# Altium PCB SS_Power-V3.0_a.PcbDoc
Units mil, origin at the board's own origin, x right, y up, seen from the top; angles counter-clockwise.
Board outline 1830.71 x 826.77 mil, 2 copper layers (Top Layer, Bottom Layer); 56 components, 43 nets, 211 pads, 175 vias.
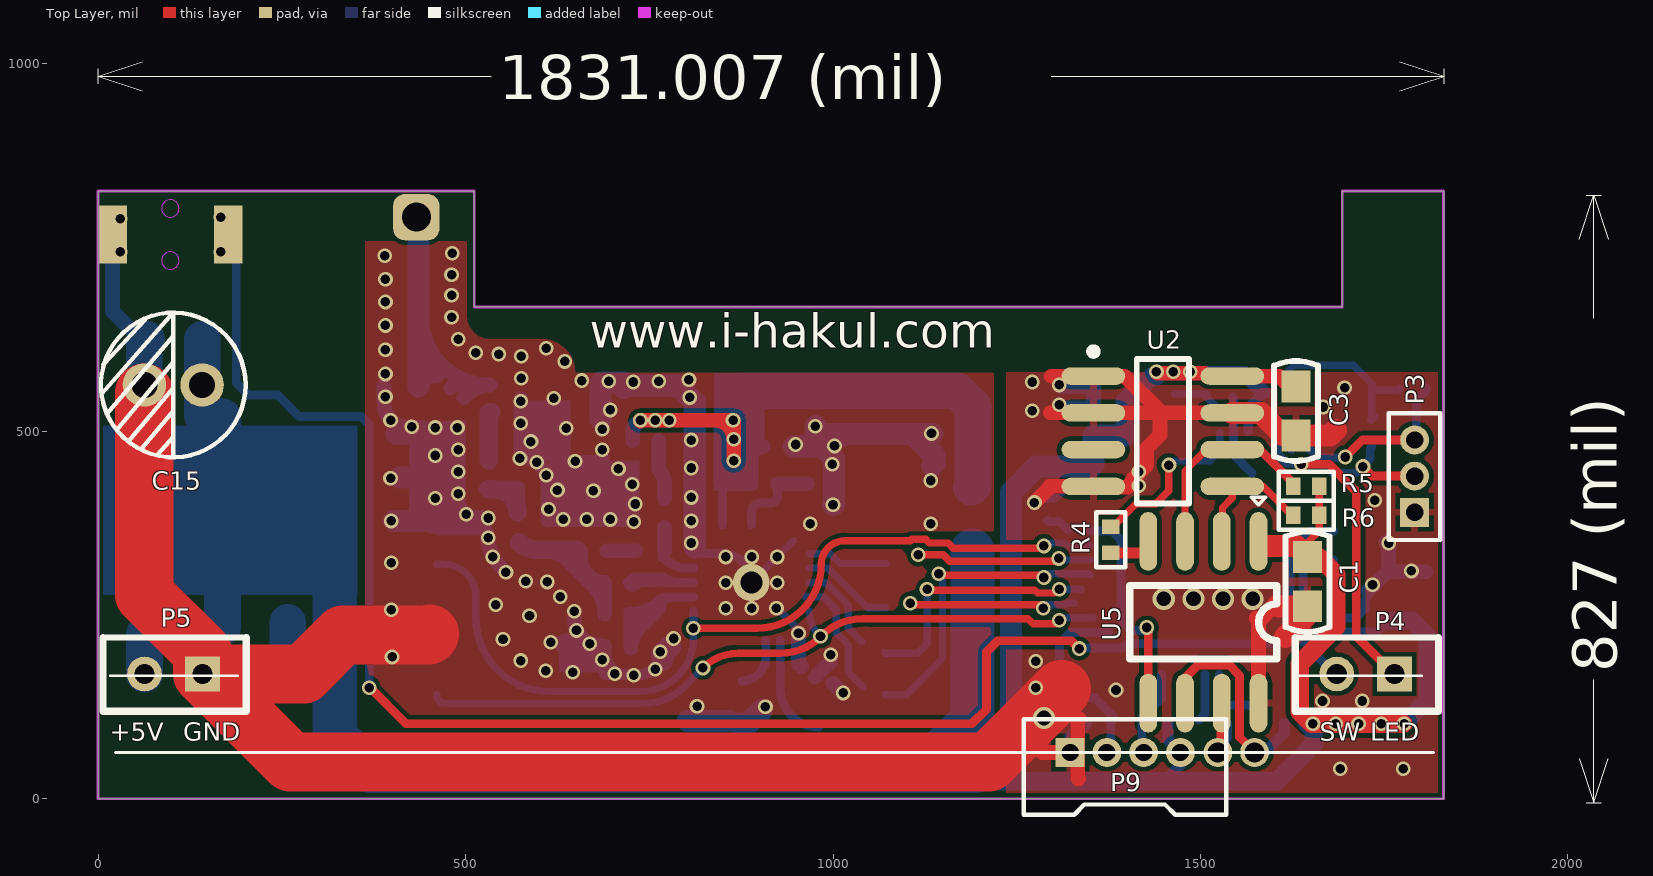
[diagram p0: Top Layer view]
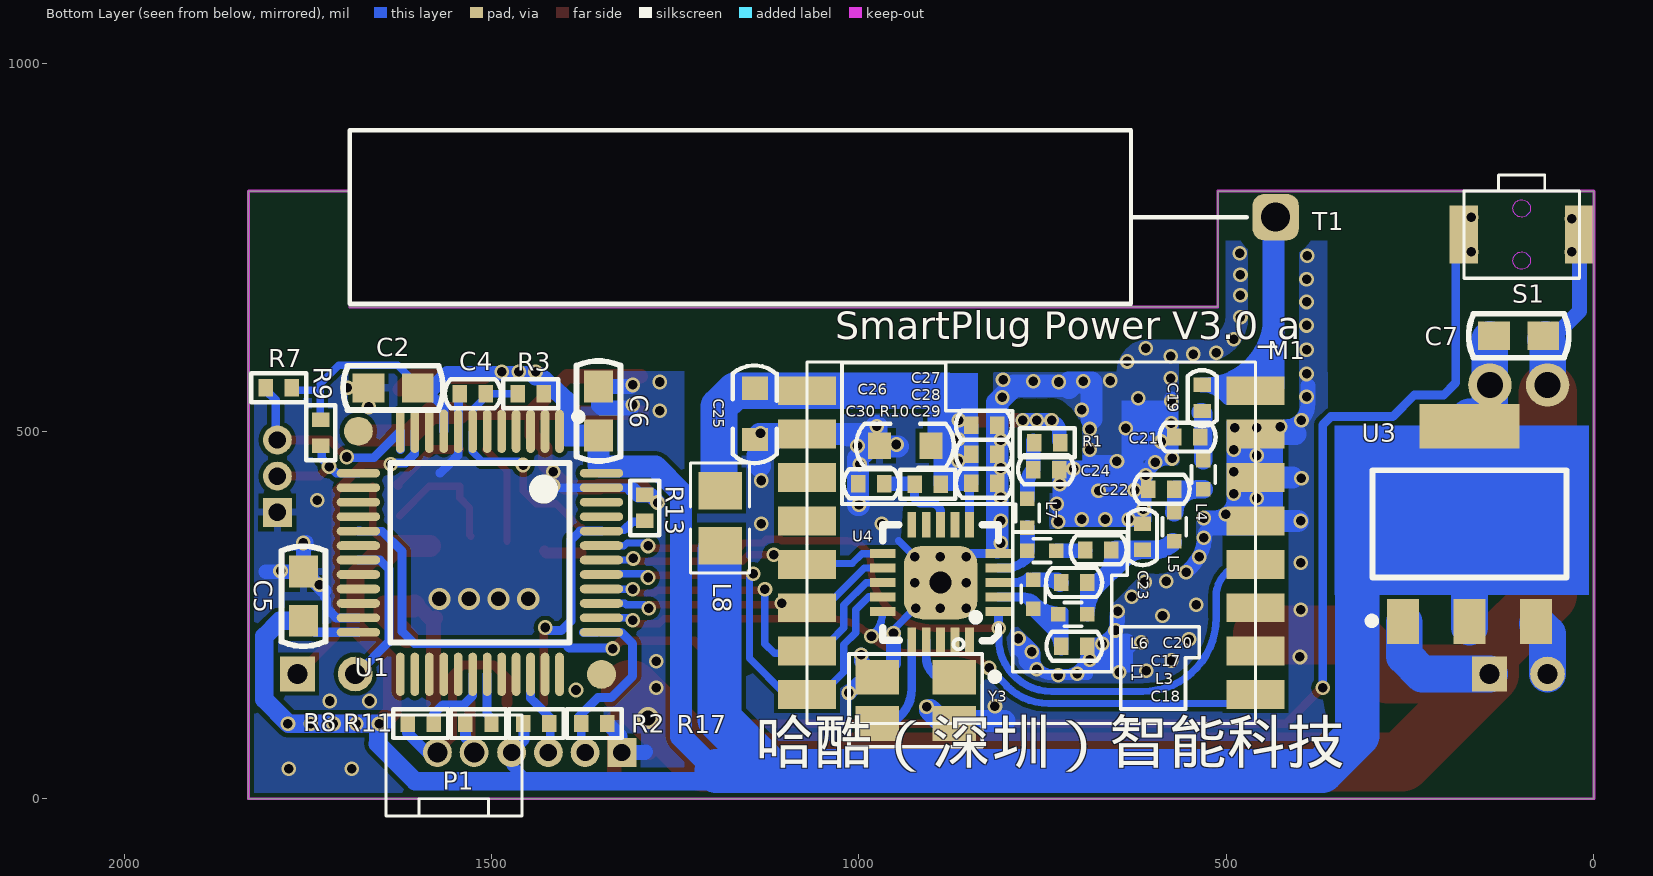
[diagram p1: Bottom Layer view, seen from below]

## Layer stack, top to bottom
Top Layer: signal copper 1.4
Dielectric: dielectric 12.6, FR-4, Dk 4.8
Bottom Layer: signal copper 1.4

## Board outline
0,0 0,826.77 511.81,826.77 511.81,669.29 1692.91,669.29 1692.91,826.77 1830.71,826.77 1830.71,0

## Design rules (kind name [scope] priority, off if disabled: settings)
Clearance [All] p1: gap=6
HoleToHoleClearance [All] p1: gap=6 allowstackedmicrovias=TRUE
MinimumSolderMaskSliver [All] p1: minsoldermaskwidth=6
PolygonConnect PolygonConnect_1 [IsVia] p1: connectstyle=Direct reliefconductorwidth=10 reliefentries=4 polygonreliefangle="90 Angle"
PolygonConnect [All] p2: connectstyle=Relief reliefconductorwidth=10 reliefentries=4 polygonreliefangle="90 Angle"
RoomDefinition SS_Power-V3.0_a [InComponentClass('SS_Power-V3.0_a')] p1: confinementstyle=ConfineIn formatcopy=TRUE lockcomponents=FALSE outline -6927.36,-1275 -4927.36,-1275 -4927.36,-275 -6927.36,-275
RoutingVias [All] p1: holewidth=13 width=25 viastyle="Through Hole" minholewidth=13 minwidth=20 maxholewidth=28 maxwidth=50
SilkToSilkClearance [All] p1: silktosilkclearance=6
SilkscreenOverComponentPads SilkToSolderMaskClearance [IsPad] p1: minsilkscreentomaskgap=0
SolderMaskExpansion [All] p1: expansion=4
Width [All] p1: maxlimit=200 minlimit=10 preferedwidth=10
24 further rules are at their usual default settings.

## Components (designator, comment, footprint, x,y, rotation, side; value= is the part's Value field where it differs from the comment)
C1 "100nF" C-RAD-0603 1645.67,295.28 r90 top
C2 "100nF" C-RAD-0603 1633.86,559.06 r180 bottom
C3 "100nF" C-RAD-0603 1629.92,527.56 r270 top
C4 "1nF" C0402 1543.31,551.18 r180 bottom
C5 "100nF" C-RAD-0603 1755.91,275.59 r270 bottom
C6 "100nF" C-RAD-0603 1354.33,527.56 r270 bottom
C7 "100nF" C-RAD-0603 102.36,629.92 r0 bottom
C15 "470uF/25V" C-RB-5/2 102.36,562.99 r180 top
C17 "5.1pF" C0402 689.34,294.23 r0 bottom
C18 "5.1pF" C0402 724.77,207.61 r180 bottom
C19 "150pF" C0402 533.17,562.99 r270 bottom
C20 "6.8pF" C0402 692.06,338.49 r180 bottom
C21 "9.1pF" C0402 570.87,492.13 r180 bottom
C22 "18pF" C0402 606.3,421.26 r180 bottom
C23 "12pF" C0402 614.17,374.02 r270 bottom
C24 "150pF" C0402 727.49,447.72 r0 bottom
C25 "10uF" C0603 1141.73,523.62 r90 bottom
C26 "2.2uF" C0603 937.01,480.32 r180 bottom
C27 "100nF" C0402 811.84,508 r0 bottom
C28 "100pF" C0402 811.84,468.63 r0 bottom
C29 "33pF" C0402 811.84,429.26 r0 bottom
C30 "100nF" C0402 1001.11,428.74 r180 bottom
L1 "68nH(HiQ)" 0402 762.92,278.43 r90 bottom
L3 "27nH(HiQ)" 0402 709.02,250.92 r0 bottom
L4 "12nH" 0402 531.5,440.94 r270 bottom
L5 "12nH" 0402 570.87,370.08 r270 bottom
L6 "24nH(HiQ)" 0402 751.11,337.49 r0 bottom
L7 "220nH(HiQ)" 0402 770.8,388.67 r270 bottom
L8 "BLM21PG221SN1" 0805-1 1188.98,381.89 r90 bottom
M1 "Si4438" HPD01 460.63,102.36 r0 bottom
P1 "Header 2" hdr1.27x2_host 1523.62,62.99 r0 bottom
P3 "Header 3" HDR3X1/1.25 1791.34,389.76 r90 top
P4 "Header 2" HDR2X1_2.0 1763.78,169.29 r0 top
P5 "Header 2" HDR2X1_2.0 141.73,169.29 r0 top
P9 "Header 4" HDR4X1/1.25B2M 1397.64,62.99 r0 top
R1 "4.7R" R0402 725.98,484.48 r0 bottom
R2 "10K" R0402 1456.69,102.36 r180 bottom
R3 "10K/5%" R0402 1464.57,551.18 r180 bottom
R4 "0R" R0402 1377.95,370.08 r270 top
R5 "10K" R0402 1625.98,425.2 r0 top
R6 "10K" R0402 1625.98,385.83 r0 top
R7 "10K" R0402 1771.65,559.06 r0 bottom
R8 "0R" R0402 1614.17,102.36 r180 bottom
R9 "10K" R0402 1732.28,515.75 r270 bottom
R10 "4.7R" R0402 888.91,428.04 r0 bottom
R11 "0R" R0402 1535.43,102.36 r180 bottom
R13 "10K/5%" R0402 1291.34,413.39 r270 bottom
R17 "10K" R0402 1377.95,102.36 r180 bottom
S1 "SW-PB" swich_micro 19.69,826.77 r0 bottom
T1 "ANT" ANT470 433.07,791.34 r0 bottom
U1 "STM32F030C8T6" LQFP48_7X7X05P 1515.75,334.65 r270 bottom locked
U2 "AT24C512" SOIC8_N 1448.82,500 r0 top
U3 "ASM1117" SOT-223 169.29,374.02 r180 bottom
U4 "Si4438" QFN20/0.5 888.91,294.18 r0 bottom
U5 "HC89F0411P" SO-8 1503.94,240.16 r270 top
Y3 "30MHz(±10PPM)" XTAL4/3.2X2.5/S 922.94,133.86 r270 bottom

## Footprints (in the part's own frame and the unit in brackets; to place one, negate y for a bottom-side part, rotate by r counter-clockwise, add the part's x,y. Pads: shape width x height; smd on the part's side, far side on the other; paste and mask are expansions set on the pad)
0402 [mm]
  rect 0.5x0.5 smd: 1(-0.5,0) 2(0.5,0)
  silkscreen extent -0.3,-0.41 0.3,0.41
0805-1 [mm] "贴片带丝印"
  rect 1.3x1.5 smd: 1(-0.95,0) 2(0.95,0)
  silkscreen extent -1.91,-1.02 1.91,1.02, body extent -1.14,-0.51 1.14,0.51, height 1
ANT470 [mm]
  rrect50% 1.6x1.6 hole 1: 1(0,0)
  silkscreen extent 1,-3 32,3
C0402 [mm] "贴片电容"
  rect 0.5x0.6 smd: 1(0,0) 2(0.9,0)
  silkscreen extent -0.51,-0.5 1.43,0.5
C0603 [mm] "贴片电容"
  rect 0.8x0.9 smd: 1(-0.889,0) 2(0.889,0)
  silkscreen extent -1.7,-0.76 1.67,0.76, body extent -0.75,-0.39 0.85,0.41, height 0.45
C-RAD-0603 [mm] "贴片电容"
  rect 1.1x1 smd: 1(-0.85,0) 2(0.85,0)
  silkscreen extent -1.73,-0.76 1.73,0.76, body extent -1.14,-0.38 1.14,0.38, height 1
C-RB-5/2 [mm] "插件电解电容"
  round 1.5 hole 0.9: 1(-1,0) 2(1,0)
  silkscreen extent -2.5,-2.5 2.5,2.5
hdr1.27x2_host [mm]
  round 1 hole 0.7: 1(0,0) 2(1.27,0)
  silkscreen extent -1.65,-1.3 3.05,2.2
HDR2X1_2.0 [mm]
  rect 1.2x1.2 hole 0.7: 1(0.006,0.012)
  round 1.2 hole 0.7: 2(-1.994,0.012)
  silkscreen extent -3.43,-1.27 1.52,1.27
HDR3X1/1.25 [mm]
  rect 1x1 hole 0.6: 1(0,0)
  round 1 hole 0.6: 2(1.25,0) 3(2.5,0)
  silkscreen extent -0.96,-0.89 3.43,0.89
HDR4X1/1.25B2M [mm]
  rect 1x1 hole 0.6: 1(-1.905,0)
  round 1 hole 0.6: 2(-0.635,0) 3(0.635,0) 4(1.905,0)
  silkscreen extent -3.51,-2.15 3.49,1.15
HPD01 [mm]
  rect 2x1 smd: 1(15.5,-11.5) 2(15.5,-10) 3(15.5,-8.5) 4(15.5,-7) 5(15.5,-5.5) 6(15.5,-4) 7(15.5,-2.5) 8(15.5,-1) 9(0,-1) 10(0,-2.5) 11(0,-4) 12(0,-5.5) 13(0,-7) 14(0,-8.5) 15(0,-10) 16(0,-11.5)
  silkscreen extent 0,-12.5 15.5,0
LQFP48_7X7X05P [mm]
  oval 1.5x0.3 smd: 1(-4.2,2.75) 2(-4.2,2.25) 3(-4.2,1.75) 4(-4.2,1.25) 5(-4.2,0.75) 6(-4.2,0.25) 7(-4.2,-0.25) 8(-4.2,-0.75) 9(-4.2,-1.25) 10(-4.2,-1.75) 11(-4.2,-2.25) 12(-4.2,-2.75) 25(4.2,-2.75) 26(4.2,-2.25) 27(4.2,-1.75) 28(4.2,-1.25) 29(4.2,-0.75) 30(4.2,-0.25) 31(4.2,0.25) 32(4.2,0.75) 33(4.2,1.25) 34(4.2,1.75) 35(4.2,2.25) 36(4.2,2.75)
  oval 0.3x1.5 smd: 13(-2.75,-4.2) 14(-2.25,-4.2) 15(-1.75,-4.2) 16(-1.25,-4.2) 17(-0.75,-4.2) 18(-0.25,-4.2) 19(0.25,-4.2) 20(0.75,-4.2) 21(1.25,-4.2) 22(1.75,-4.2) 23(2.25,-4.2) 24(2.75,-4.2) 37(2.75,4.2) 38(2.25,4.2) 39(1.75,4.2) 40(1.25,4.2) 41(0.75,4.2) 42(0.25,4.2) 43(-0.25,4.2) 44(-0.75,4.2) 45(-1.25,4.2) 46(-1.75,4.2) 47(-2.25,4.2) 48(-2.75,4.2)
  round 1 smd: 49(-4.2,-4.2) 50(4.2,4.2)
  silkscreen extent -4.82,-3.1 3.1,3.52
QFN20/0.5 [mil]
  rect 35x12 smd: 1(-78.74,39.37) 2(-78.74,19.69) 3(-78.74,0) 4(-78.74,-19.68) 5(-78.74,-39.37) 11(78.74,-39.37) 12(78.74,-19.68) 13(78.74,0) 14(78.74,19.69) 15(78.74,39.37)
  rect 12x35 smd: 6(-39.37,-78.74) 7(-19.68,-78.74) 8(0,-78.74) 9(19.69,-78.74) 10(39.37,-78.74) 16(39.37,78.74) 17(19.69,78.74) 18(0,78.74) 19(-19.68,78.74) 20(-39.37,78.74)
  rrect50% 100x100 smd: 21(0,0)
  silkscreen extent -79,-79 79,79
R0402 [mm]
  rect 0.5x0.6 smd: 1(0,0) 2(0.9,0)
  silkscreen extent -0.5,-0.5 1.4,0.5
SO-8 [mil]
  oval 80x24 smd: 1(-110,75) 2(-110,25) 3(-110,-25) 4(-110,-75) 5(110,-75) 6(110,-25) 7(110,25) 8(110,75)
  silkscreen extent -170,-100 50,100
SOIC8_N [mm] "8-Pin Small Outline Integrated Circuit Package (SOIC8), IPC Medium Density"
  oval 2.2x0.6 smd: 1(-2.4,1.905) 2(-2.4,0.635) 3(-2.4,-0.635) 4(-2.4,-1.905) 5(2.4,-1.905) 6(2.4,-0.635) 7(2.4,0.635) 8(2.4,1.905)
  silkscreen extent -2.52,-2.5 0.9,2.88, body extent -1.95,-2.45 1.95,2.45, height 1.75
SOT-223 [mm]
  rect 1.1x1.55 smd: 1(-2.3,-3.375) 2(0,-3.375) 3(2.3,-3.375)
  rect 3.45x1.55 smd: 4(0,3.375)
  silkscreen extent -3.5,-3.48 3.35,1.85, body extent -3.3,-3.94 3.3,3.43, height 0.8
swich_micro [mm]
  rect 1x2 all layers, no hole: 1(0,1.5) 2(4,1.5)
  Keep-Out Layer circle w0.025: c2,0.6 r0.3
  Keep-Out Layer circle w0.025: c2,2.4 r0.3
  silkscreen extent 0,-0.55 4,3
XTAL4/3.2X2.5/S [mm]
  rect 1.2x1.5 smd: 1(-0.8,1.33) 2(-0.8,-1.33) 3(0.8,-1.33) 4(0.8,1.33)
  silkscreen extent -2.12,-2.3 1.6,2.3

## Part data
C1 C2 C3 C4 C5 C6 C7 C17 C18 C19 C20 C21 C22 C23 C24 C25 C26 C27 C28 C29 C30: library part Cap, "无极性电容"
C15: library part CAP3, "电解电容"
L1 L3 L4 L5 L6 L7 L8: library part Inductor, "电感"
M1: library part SI4438-HPD07, "SI4438模块"
P1 P3 P4 P5 P9: "接插件"
R1 R2 R3 R4 R5 R6 R7 R8 R9 R10 R11 R13 R17: library part Res1, "电阻"
S1: "微动开关"
T1: "470M弹簧天线"
U1: "MCU"
U2: library part AT24C02, "EEROM存储器"
U4: "无线收发器"
U5: "芯圣8脚51单片机"
Y3: library part XTAL_4, "四脚无源"

## Via types
v1: diameter 20, hole 13, Top Layer to Bottom Layer, 169 vias
v2: diameter 30, hole 20, Top Layer to Bottom Layer, 5 vias
v3: diameter 50, hole 30, Top Layer to Bottom Layer, 1 vias

## Nets (pads, with @x,y where several pads share a name; then routed paths per layer and width w, separated by ;. In a path a pad name is that pad's centre, name@x,y a point inside that pad or via, vN(x,y) a via of type N, cw(c..) or ccw(c..) an arc to the next point about the centre after c; other vN are vias at no path point)
1TOUCH: S1.2 U1.17 | length 2325
  Top Layer w12: v1@369.5,151.5 419,102 1189,102 1209,122 1209,200 1224,215 1324.2,215 v1(1334.82,204.38)
  Bottom Layer w12: S1.2@179,794 S1.2@181,792 ; S1.2@181,742 S1.2@181,767.72 ; S1.2@188,742 188,566 204.6,549.4 244.6,549.4 274,520 357.97,520 369,508.97 v1@369,156 ; v1@1335,204.38 v1(1334.82,204.38) v1@1335.44,205 ; v1@1335,205 v1@1335.44,205 ; 1581,211 1580.82,210.82 ; U1.17@1679,364.17 U1.17 ; U1.17@1682,364 1649,364 1621.57,336.57 1621.57,227.57 1604.82,210.82 1580.82,210.82 ; v1@1335.44,205 1394.24,205 1400.06,210.82 1580.82,210.82
  other v1: 369,151 167,744 167,791
+3V3: C1.2 C2.2 C3.1 C5.2 C6.2 C7.2 C15.1 L8.1 P9.4 R2.1 R3.2 R5.2 R6.2 R7.1 R9.1 U1.1 U1.9 U1.24 U1.48 U2.8 U3.2 U5.1 | length 4702
  Top Layer w10: C1.2@1645,330 1647,332 1647,350 1661.42,364.42 R6.2 R5.2
  Top Layer w20: v1@1441,579 1505,579 1510,574 1567,574 U2.8@1568,575 ; U2.8 1607,575 C3.1@1625,557
  Top Layer w25: C1.2 1661.26,328.74 1685,305 1685,233.64 1635,183.64 1635,118 1651,102 v1(1653,102) v1(1684,102) v1(1715,102) v1(1746,102) v1@1776,102
  Top Layer w30: U5.1@1584,344 1630.41,344 C1.2
  Bottom Layer w10: C2.2@1610,572 1627.74,589.74 1708.03,589.74 1733,564.77 1733,563 1733,556 ; R9.1@1733,517 1733,556 ; R7.1@1771,558 1769,556 1733,556
  Bottom Layer w12: R9.1 R9.1@1736,519.46
  Bottom Layer w13: U1.9 1564.96,532.96 C2.2@1585,553 ; U1.24 1740.38,226.38 1756,242 C5.2@1757,243
  Bottom Layer w15: 1451,24 1472,45 1472,61 P9.4@1474,63 ; R2.1@1456,102 1456,79.63 P9.4
  Bottom Layer w20: 1397.09,499.91 1398,499 ; v1@1440,575 1440.99,578.99 1486,578.99 1559.78,578.99 ; 1564.96,574.04 1573,566 ; 1569.15,568.85 C2.2@1585,553
  Bottom Layer w25: 1208,24 1451,24 1604,24 1655,75 1654,76 v1@1654,102 ; 1397.09,499.91 1397.09,541.09 1434,575 v1@1440,575 ; v1@1645,102 v1(1653,102) v1@1654,102 ; v1@1658,102 v1@1655,102 ; C5.2@1752,242 1756,242 1788,242 1809,221 1809,135 1776,102 v1(1746,102) v1(1715,102) v1(1684,102) v1@1655,102 ; v1@1654,102 v1@1655,102
  Bottom Layer w30: 1199,42 1242,85 1242,417 1277,452 1319,452 1352,452 1354.33,454.33 C6.2 1397.09,494.09 1397.09,499.91
  Bottom Layer w50: 141.73,522 C7.2@141.73,625.27 ; U3.2@169.29,233.27 169.29,337 ; 169.29,439 169.29,519.71
  Bottom Layer w60: 322,323 322,85.97 370,37.97 1119.97,37.97 ; L8.1@1190,338 1190,108 1119.97,37.97 ; 1194.03,37.97 1119.97,37.97
  other v1: 1777,102 1440,581 1463,581 1486,581
+5VCC: P5.2 U3.3 | length 73.9
  Bottom Layer w50: P5.2 63.24,224.24 U3.3@77,238
BOOT: R13.2 U1.44 U5.5 | length 335
  Top Layer w12: v1(1427,233) 1429,231 1429,155 U5.5@1429,130.16
  Bottom Layer w12: R13.2@1292,379 1294,377 1308.87,377 ; 1308.87,376.44 1319.35,365.95 ; U1.44 1379.65,364.17 1391.92,351.9 1391.92,241.9 1401.41,232.41 1405,228.82 1422.82,228.82 v1(1427,233)
FSK_AD: U1.18
FSK_IO: U1.26
FSK_OUT: U1.16
G_LED: P4.1 U1.11 | length 432.9
  Top Layer w12: v1@1635,455 v1@1635,456 ; v1@1637,454 v1(1637,455) 1675,455 1706,424 1710,420 1712,418 1712,221 P4.1@1763,170 ; P4.1@1763.5,170.5 P4.1@1764,170
  Bottom Layer w12: U1.11 1604.33,469.21 1616.56,456.98 1635.02,456.98 v1(1637,455) v1@1638,454
GND: C1.1 C2.1 C3.2 C4.1 C5.1 C6.1 C7.1 C15.2 C18.2 C21.1 C22.1 C23.1 C24.1 C25.1 C26.1 C27.1 C28.1 C29.1 C30.1 M1.2 M1.13 M1.14 M1.15 P3.1 P5.1 P9.1 R13.1 R17.2 S1.1 U1.8 U1.23 U1.47 U2.1 U2.2 U2.4 U2.7 U3.1 U4.5 U4.21 U5.8 Y3.2 Y3.4 | length 6556.6
  Top Layer w20: v1(1274,403) 1293,422 ; 1283,65 1285.01,62.99 P9.1@1333.07,62.99 ; 1295,425 U2.4 ; 1296,525 U2.2 ; 1297,575 U2.1 1397,575 1445,527 1445,525 ; 1334,27 1333.07,27.93 P9.1@1333.07,62.99 ; 1335,109 1333.07,107.07 P9.1@1333.07,62.99 ; U2.4@1353,424 1400,424 1407,431 1407,433.7 1427,453.7 1427,477 1445,495 1445,525 ; U2.2@1359,525 1445,525 ; U2.7 1445,525 ; 1576,246 1578.94,243.06 U5.8 ; 1579,241 1599.81,261.81 1606.19,261.81
  Top Layer w30: U2.7 1582,525 1612,495 1631,495 C3.2@1631.91,494.09 ; 1605,263 1606.19,261.81 C1.1 1645.67,250.67 1615,220 ; C3.2 C3.2@1631.91,494.09 ; C3.2@1632,494 C3.2@1631.91,494.09 ; 1684,502 1676.09,494.09 C3.2@1631.91,494.09
  Top Layer w80: C15.2@62.99,552 62.99,278.01 141.98,199.02 ; P5.1@143,169 P5.1@143,169.75 ; 451,224 450,223 333,223 279.75,169.75 P5.1@143,169.75 ; 1311,149 1212,50 261.73,50 P5.1 ; P5.1 141.98,199.02 ; P5.1 P5.1@143,169.75 ; P5.1 P5.1@143,170.76 ; 141.98,199.02 143,198 P5.1@143,170.76 ; P5.1@143,169.75 P5.1@143,170.76
  Bottom Layer w10: v3(888.91,294.18) 946,351 ; U4.21@924,259 953,230 v1(953,225)
  Bottom Layer w12: 774.5,210.5 775,211 ; U4.5 849.54,333.55 cw(c849.54,294.18) v3(888.91,294.18) ; 1314.23,423.23 U1.47 1413.23,423.23 v1(1416,426) ; C4.1@1543.55,547 1544,547 C4.1@1545,546 ; U1.8@1545,477 C4.1@1545,546 ; 1570,443 1557,456 1557,456.11 1545.28,467.84 U1.8 1545.28,545.72 C4.1@1545,546 ; U1.23 1711.06,246.06 1724.22,259.22 1724.22,271.53 1727,274.31 1727,279
  Bottom Layer w15: C18.2 689.34,186 689.34,184.34 689.34,168.94 693,168.94 v1@738,168.94 ; C18.2@691,197 ccw(c719.06,197) 719.06,168.94 v1@738,168.94 ; v1@761,200 761,191.94 cw(c738,191.94) v1@738,168.94
  Bottom Layer w20: S1.1@19.69,789 19.69,663.32 C7.1@62,621 ; 389,562 389,538 ccw(c421,538) v1@421,506 ; v1@529,362 ccw(c596.6,362) 548.8,314.2 v1@550,313 ; v1@575,544 575,465 cw(c575,428) 612,428 C23.1@612,379 ; 637,206 638.61,207.61 639.39,207.61 C18.2 ; v1@648,246 648,243 ccw(c682,243) C18.2@682,209 ; v1@686,181 v1@689.34,184.34 ; v1(953,225) 953,184 Y3.2@957,180 ; Y3.2 997,187.06 v1(997,196) ; Y3.2@1000,157 1013,144 v1(1014,144) ; v1@1275,405 1283.39,413.39 R13.1 1300.39,413.39 1308,421 1309,421 ; 1290,64 1291.01,62.99 P9.1 P9.1@1323,62.99 ; v1@1310,531 1310.75,531.75 1351,531.75 1354.33,535.08 C6.1 v1@1310.02,561.02 ; P9.1@1323,66 1325,68 1325,84.84 1333.07,92.91 R17.2 ; 1728,283 1732,287 1754.06,309.06 C5.1 ; v1@1752,349 1755.91,345.09 C5.1 ; 1807,309 1806.94,309.06 C5.1
  Bottom Layer w25: v1@487,414 487,408.48 ccw(c515.48,408.48) 515.48,380 v1@527,380
  Bottom Layer w30: v1@403,377.95 M1.13 ; 406,496.06 M1.15 ; 410,437 M1.14 ; 637,210 639.39,207.61 ; 683.68,516.68 683.68,566.19 714,566.19 ; 714,559 716.9,561.9 783.04,561.9 ; 768,189 768,197 778,207 ; 788,562 789,562 811.84,539.16 C27.1 ; 802,106 Y3.4@859,106 ; v1@811.84,342 C29.1 C28.1 ; Y3.4 884.95,102.36 v1@903.32,120.73 ; v1@947,479 947,479.19 974.74,479.19 976,479.19 976,480.32 v1(976,507) ; C26.1@982,496 982.06,496.06 1016.06,496.06 ; 993.05,471.05 v1@993.05,479.19 ; v1(1000,400) 1001.11,400 C30.1 v1@1001.11,463 ; 1014,494 1016.06,496.06 ; M1.2@1069.98,496.06 M1.2 ; 1135,453 1138,456 1138,467 M1.2@1108.94,496.06 ; C25.1@1135.06,496.06 M1.2@1108.94,496.06 ; C28.1 C27.1 ; C28.1 C27.1 ; 1016.06,496.06 M1.2 ; M1.2 M1.2@1108.94,496.06
  Bottom Layer w50: C15.2 62.99,621.99 C7.1@66,625 ; P5.1 233.75,169.75 258,194 U3.1@258,240 ; M1.13@460,385 ccw(c458.48,386.52) 460.63,386.52 M1.14 M1.15@460.63,485
  other v1: 1690,41 1776,41 908,125 815,126 1666,133 1720,133 1385,148 1276,151 729,168 703,170 646,172 609,174 758,176 1276,187 575,188 686,189 400,193 765,200 669,211 616,213 551,217 783,218 651,229 587,249 648,255 399,257 854,259 889.5,259 923,259 541,264 629,275 1734,291 854,294 924,294 611,295 582,296 555,308 1787,310 399,321 537,329 854,329 889.5,329 924,329 807,348 1756,348 531,355 969,374 1133,374 729,377 399,378 807,378 633,380 665,380 697,380 531,382 501,387 613,394 731,401 1737,406 459,409 807,410 490,415 674,419 625,420 727,428 1133,433 398,436 610,440 490,445 1416,445 708,449 807,450 999,455 597,458 649,459 574,463 459,467 490,475 686,475 1002,480 949,482 589,486 807,488 1134,497 686,503 637,504 459,505 489,505 427,506 575,511 398,515 1271,528 697,529 1667,533 1308,536 575,541 620,545 805,546 391,547 1696,559 1308,563 728,567 1271,567 695,568 763,568 658,569 804,570 576,572 391,578 635,595 576,602 545,605 514,607 391,611 610,613 490,625 391,644 481,655 391,676 481,685 391,707 481,713 390,739 482,742 30,744 30,789
  other v2: 1287,110 1450,272 1490.33,272 1530.67,272 1571,272
NetC24_2: C24.2 L7.1 R1.2 | length 80.8
  Bottom Layer w20: R1.2@762.92,487.09 C24.2 cw(c743.91,428.72) 770.8,428.72 L7.1
NetC30_2: C30.2 R10.2 U4.8 | length 122.8
  Bottom Layer w12: U4.8 888.91,389.33 cw(c902,389.33) 902,402.42 915.42,402.42 ccw(c915.42,411) 924,411 ccw(c924,411.34) 924.34,411.34 R10.2
  Bottom Layer w20: R10.2 cw(c925.04,428.04) 925.04,428.74 C30.2
NetR4_2: R4.2 U5.4 | length 51
  Top Layer w15: R4.2 1425.64,334.64 U5.4@1428,337
NetU4_16: U4.16 Y3.3 | length 148
  Bottom Layer w12: U4.16 928.28,149.69 ccw(c980.64,149.69) Y3.3@980.64,97.33
NetU4_17: U4.17 Y3.1 | length 73.8
  Bottom Layer w12: Y3.1@875.91,160.32 ccw(c875.91,193) 908.59,193 U4.17
OB1_SW: P4.2 U1.19 | length 209
  Bottom Layer w12: U1.19 1651.8,324.8 1639.57,312.57 1639.57,213.43 P4.2@1682,171
  Bottom Layer w15: P4.2@1683.02,172.02 P4.2
PWM: U1.14
R\E\S\E\T\: C4.2 R3.1 R4.1 U1.7 | length 311
  Top Layer w10: R4.1@1377,369 1380,369 1412.16,401.16 1439.16,401.16 1457,419 v1(1457,454)
  Bottom Layer w10: v1(1457,454) 1462.47,459.47 1512.91,459.47 1526,472.56 U1.7@1526,499 ; R3.1 C4.2 C4.2@1508.82,551.18 ; C4.2@1505.85,549.15 U1.7@1525.59,529.41
RF: C19.1 M1.16 T1.1 | length 587.3
  Bottom Layer w20: 440,730 440,656.17 ccw(c533.17,656.17) C19.1 ; M1.16@480,559 483.99,562.99 C19.1 ; M1.16@498,546 502.14,550.14 cw(c533.17,519.1) C19.1
  Bottom Layer w30: T1.1@433,784 T1.1@434,784 ; T1.1@434,789.8 T1.1@434,784 ; M1.16@436,561 436,607 ; 459,580 cw(c459,603) 436,603 436,607 ; T1.1@434,784 436,784 436,658 436,607
RF1: C17.2 L1.2 U4.3 | length 159.9
  Bottom Layer w12: L1.2@769.94,301.95 ccw(c788.69,320.69) 788.69,294.18 U4.3 L1.2@771.64,294.18
  Bottom Layer w20: C17.2@724,294 726,294 ccw(c726,298) 730,298 762.8,298 ccw(c762.8,298.12) L1.2 744.18,298.12 ccw(c744.18,273.82) C17.2@727,291
RF2: C18.1 L1.1 L3.2 U4.2 | length 312.8
  Bottom Layer w12: L1.1@759,268 cw(c774.68,252.32) 774.68,274.5 786.85,274.5 U4.2 783.78,274.5 ccw(c783.78,254.86) L1.1@764.14,254.86
  Bottom Layer w15: C18.1@727,204 727,222.83 cw(c755.09,222.83) L1.1@755.09,250.92
  Bottom Layer w20: C18.1 724.77,220 724.77,246.98 cw(c728.71,246.98) L3.2 L1.1@755.09,250.92 ; C18.1@725,205 cw(c763.21,205) 736.19,232.02 L1.1
RF3: L6.2 L7.2 U4.4 | length 130.1
  Bottom Layer w12: L6.2@767,329 ccw(c803.54,365.54) 803.54,313.87 U4.4 ; 777,323 ccw(c799.05,345.05) 799.05,313.87 U4.4 ; U4.4@794.42,313.87 U4.4
  Bottom Layer w20: L6.2 L7.2
RF4: C20.1 L6.1 | length 39.4
  Bottom Layer w20: C20.1@692.06,337.49 L6.1
RF5: C17.1 C20.2 C23.2 L3.1 L5.2 | length 454.9
  Bottom Layer w20: C23.2@617.25,337.49 C20.2@656.62,337.49 ; 654.68,315.32 666,304 668.31,301.69 cw(c617.54,250.92) L3.1 ccw(c632.02,250.92) 672.55,291.45 668,296 ; C20.2@656.62,334.39 C20.2@656.62,337.49 ; L3.1@689.34,258.37 C17.1 cw(c689.34,326.94) 656.62,326.94 C20.2@656.62,337.49
  Bottom Layer w25: L5.2@573,349 ccw(c598.15,374.15) 598.15,338.58 ; C23.2@615.8,338.58 598.15,338.58 ; C20.2@654,337 ccw(c650.18,333.18) 650.18,338.58 C23.2 ; C17.1@680,287 638.49,328.51 ccw(c614.17,304.19) C23.2 ; 598.15,338.58 C23.2
RF6: C22.2 L4.2 L5.1 | length 130.5
  Bottom Layer w20: L4.2@531.76,421 533.76,423 570.87,423 570.87,391.87 cw(c570,391.87) L5.1@570,391
  Bottom Layer w25: L4.2@531,421 539.63,421 cw(c539.63,389.76) L5.1 ; L4.2 ccw(c531.76,421.26) L4.2@531.76,421
RF7: C19.2 C21.2 L4.1 | length 67.2
  Bottom Layer w25: L4.1 531.5,522.72 cw(c534.78,522.72) C19.2@534.78,526
RXD: P1.1 R11.1 U5.7 | length 128.6
  Top Layer w15: P1.1@1523,62 1528.94,67.94 U5.7
  Bottom Layer w15: P1.1@1519,67 1535.43,83.43 R11.1 1535.43,86.57
RXD1: R11.2 U1.31 | length 65.6
  Bottom Layer w12: R11.2@1498,107 1505.91,114.91 U1.31
RXD2: P3.2 R9.2 U1.13 | length 150.8
  Top Layer w12: v1(1721,452) 1734.02,438.98 P3.2
  Bottom Layer w12: U1.13 1710.91,442.91 1731,463 1731,477 R9.2@1733,479
SCL: R5.1 U2.6 U5.3 | length 242.6
  Top Layer w10: U5.3 1478.94,445.94 U2.6@1508,475
  Top Layer w12: U2.6 1581,475 1627,429 R5.1@1627,426
SDA: R6.1 U2.5 U5.2 | length 172.6
  Top Layer w10: U5.2@1528,357 1530,359 1530,396 1543.31,409.31 U2.5 1585,425 R6.1@1625,385
SI4438_NIRQ: M1.5 U1.42 U4.11 | length 347.6
  Top Layer w10: v1(1116,332) 1150,332 1159,323 v1@1303,323
  Bottom Layer w10: U4.11 995.84,333.55 1009.4,320 M1.5@1072,320 ; v1@1304,326 1305.2,324.8 U1.42
  other v1: 1307,327
SI4438_SDN: M1.12 U1.43 U4.1 | length 1176.7
  Top Layer w10: v1(810,232) 897,232 ccw(c897,319) 973,276.66 ccw(c897,319) 984,319 cw(c1016,319) 1016,351 1105.3,351 ; 1107.3,353 1126,353 1131,348 1156.63,348 1163.63,341 1190,341 1253,341 ; 1271,341 1253,341 ; v1@1289,344 1286,341 1253,341
  Bottom Layer w10: M1.12 471.1,318.9 cw(c471.1,276) 480.04,317.96 cw(c471.1,276) 513.06,284.94 cw(c471.1,276) 514,276 514,246 ccw(c614,246) 614,146 738,146 ccw(c738,218) 810,218 v1(810,232) ; v1(1287,344) 1286.96,343.96 1286.76,343.96 1286.7,344.02 1286.7,346.7 1288,348 1315.7,348 1319.7,344 U1.43@1334,344 ; U1.43@1334,344.49 U1.43
  Bottom Layer w12: v1@810.17,232.17 U4.1
SI4438_SPI1_MISO: M1.7 U1.40 U4.13 | length 477.3
  Top Layer w10: v1@1127.5,285.5 1127,285 v1@1129,283 ; v1@1129,285 1130.35,283.65 1274.65,283.65 1278.3,280 1301,280 v1@1307,286
  Bottom Layer w10: U4.13@967,294 990.14,294 1020.5,263.64 1020.5,232.5 M1.7@1039,214 ; M1.7@1070,199 1071,198 1115,198 1128,211 v1(1128,285) ; v1(1308,285) U1.40@1338,285
SI4438_SPI1_MOSI: M1.8 U1.41 U4.14 | length 586.6
  Top Layer w10: v1@1146,304 v1@1284,304
  Bottom Layer w10: U4.14@962,275 986.51,275 1004.5,257.02 1004.5,225.88 1020.5,209.88 1020.5,172.5 M1.8@1041,152 ; U4.14@967,274 U4.14@967.65,274 ; U4.14 U4.14@970,274.5 ; M1.8 1099.73,141.73 1149,191 v1@1149,301 ; v1@1286,302 v1(1287,301) 1292,306 1321.67,306 U1.41@1349,306 ; U1.41@1349,305 1350.28,305 U1.41
  other v1: 1144,306
SI4438_SPI1_NSS: M1.9 U1.38 U4.15 | length 1040.5
  Top Layer w10: v1(823,178) cw(c871.28,129.72) 871.28,198 928.47,198 ccw(c928.47,276.53) v1@984,221 ; v1(983,221) cw(c1040.94,163.06) 1040.94,245 1119,245 ; 1050,244.75 1223.25,244.75 1265.25,244.75 1272,238 1304,238 v1@1309,243
  Bottom Layer w10: M1.9 ccw(c472.68,141.73) 472.68,129.69 741.9,129.69 ccw(c741.9,210.1) 798.76,153.24 ; 799.13,154.13 v1(823,178) ; U4.15@967.84,255 U4.15 ccw(c1012.2,254.81) v1@980.7,223.3 ; v1@1309.04,246.04 U1.38@1350.39,246.04 ; U1.38@1354,246 U1.38@1353.96,246.04
  other v1: 1308,243
SI4438_SPI1_SCK: M1.6 U1.39 U4.12 | length 346
  Top Layer w10: v1@1107,264 1229,264 v1@1282,264
  Bottom Layer w10: U4.12 U4.12@972,313.87 ; U4.12@972,314 992.77,314 1046.93,259.84 M1.6 ; v1@1286,258 1292,264 1296.3,264 1316.7,264 1318.7,266 U1.39@1328,266
  other v1: 1286,259 1105,266
SWCLK: P9.2 R17.1 U1.37 | length 264.8
  Bottom Layer w12: U1.37 1323.38,226.38 1308,211 1308,166.88 1337.27,137.61 1355.39,137.61 1382,111 1378,107 R17.1@1378,103 ; U1.37@1357,226 U1.37@1375,226 ; P9.2@1370,60 1377.95,67.95 R17.1 ; P9.2@1383,66 P9.2@1384,65
SWDIO: P9.3 R2.2 U1.34 | length 143.1
  Bottom Layer w12: P9.3@1420,60 1420,110 1440,130 ; P9.3@1424,63 P9.3@1433.07,72.07 ; 1433,123 1440,130 ; U1.34 1446.85,136.85 1440,130
SYNC_SG1: U1.21
TXD: P1.2 R8.1 U5.6 | length 314.7
  Top Layer w10: U5.6@1476,148 1477,147 U5.6@1477,136 ; P1.2@1574.91,63.09 P1.2@1575,63
  Top Layer w12: U5.6@1476,144 1476,148 1476,161 1497.16,182.16 1538.88,182.16 1552.94,168.1 1552.94,144.06 1553,144 1553,84 1575,62 P1.2@1578,62
  Top Layer w15: U5.6 U5.6@1478.94,136
  Bottom Layer w15: P1.2@1572,61 1580,61 1583,58 1614.17,89.17 R8.1
TXD1: R8.2 U1.30 | length 106
  Bottom Layer w12: U1.30 1525.59,140.03 1537.86,127.76 1566.24,127.76 1579,115 R8.2@1579,102
TXD2: P3.3 R7.2 U1.12 | length 300.8
  Top Layer w12: v1(1697,465) 1720.19,488.19 P3.3 1790.53,489 P3.3@1792,489
  Bottom Layer w12: U1.12@1624,497 U1.12 ; U1.12@1624.02,474.98 U1.12 1660.02,464 v1@1698,464 ; P3.3 1793.5,490.35 1793.5,542.5 R7.2@1807,556 ; R7.2@1807.09,556 R7.2
V_RF: C25.2 C26.2 C27.2 C28.2 C29.2 L8.2 M1.1 R1.1 R10.1 U4.6 | length 1115.9
  Top Layer w20: v1@738,514 v1(738,515) v1(758,515) v1(777,515) 839,515 ; v1(865,460) v1(865,489) ; 839,515 cw(c839,489) v1(865,489) ; 839,515 v1(864,515) 865,515 v1(865,489)
  Bottom Layer w12: U4.6 C29.2@849.54,428.04
  Bottom Layer w20: R1.1@727.49,487.09 727.49,498.39 cw(c744,498.39) 744,514.91 v1@777,514.91 ; C29.2 C28.2 C27.2 865,508 v1(865,489) v1(865,460) ; R10.1 888.91,463.35 cw(c904.74,463.35) C26.2@904.74,479.19
  Bottom Layer w50: 880,555 882,555 ; 882,483 882,555 ; 921,555 967,555 ; 1179,545 1169,555 ; L8.2@1188,424 1190.45,426.45 1190.45,533.55 1169,555 ; 882,555 967,555 ; 967,555 1169,555
pads on no net: M1.3 M1.4 M1.10 M1.11 U1.2 U1.3 U1.4 U1.5 U1.6 U1.10 U1.15 U1.20 U1.22 U1.25 U1.27 U1.28 U1.29 U1.32 U1.33 U1.35 U1.36 U1.45 U1.46 U1.49 U1.50 U2.3 U3.4 U4.7 U4.9 U4.10 U4.18 U4.19 U4.20
copper on no net: | length 57.3
  Bottom Layer w12: 721,244 721,255 724.37,255 ccw(c724.37,309.63) 763,271

## Polygon pours and split planes (outlines as drawn)
GND on Bottom Layer "Top Layer-No Net" (solid, remove dead copper, pour order 1001): 483,759 483,654 ccw(c532,654) 532,605 554,605 cw(c554,549) 610,549 682,549 ccw(c682,571) 704,571 ccw(c694,571) 694,581 649,581 ccw(c605,581) 605,625 534,625 cw(c534,658) 501,658 501,659 501,759
GND on Bottom Layer "Top Layer-No Net" (solid, remove dead copper, pour order 1000): 363,759 489,759 489,650 ccw(c525,650) 525,614 580,614 589,614 cw(c589,545) 658,545 cw(c657,545) 657,544 363,544
GND on Bottom Layer "Top Layer-No Net" (solid, remove dead copper, pour order 1001): 1831.48,581.85 1237.48,581.85 1237.48,277.85 1237.48,-18.15 1819.48,-18.15 1831.48,-18.15 1831.48,580.85
GND on Bottom Layer "Top Layer-No Net" (solid, remove dead copper, pour order 1000): 362.5,580.57 827,580.57 827,469.57 827,38.57 362.5,38.57
GND on Bottom Layer "Top Layer-No Net" (solid, remove dead copper, pour order 1000): 362,561 401,561 401,508 401,515 500,515 500,379 533,379 533,312 539,312 554,312 554,284 658,192 700,196 700,179 706,173 742,173 754,185 754,202 754,204 793,243 793,254 812,254 849,254 849,286 849,332 817,332 797,332 797,580 1194,580 1220,580 1220,84 1220,79 362,79
GND on Top Layer "Top Layer-No Net" (solid, remove dead copper, pour order 1003): 473.78,758.43 cw(c473.78,756.43) 475.78,756.43 475.78,572.43 cw(c476.78,572.43) 476.78,573.43 648.78,573.43 648.78,580.43 ccw(c603.78,580.43) 603.78,625.43 534.78,625.43 cw(c534.78,658.43) 501.78,658.43 501.78,757.43 ccw(c500.78,757.43) 500.78,758.43
GND on Top Layer "Top Layer-No Net" (solid, remove dead copper, pour order 1002): 363.37,556.74 363.37,758.47 473.71,758.47 489,758.47 489,542
GND on Top Layer "Top Layer-No Net" (solid, remove dead copper, pour order 1003): 1236.98,580.41 1892.98,580.41 1892.98,144.41 1892.98,-29.59 1235.98,-29.59 1235.98,581.41
GND on Top Layer "Top Layer-No Net" (solid, remove dead copper, pour order 1002): 1218.57,578.84 1218.57,98.78 363.69,98.78 363.69,579.78 1217.47,579.78

## Keep-outs
Keep-Out Layer:
  lines w3.94: 511.81,669.29 1692.91,669.29 ; 511.81,670 511.81,826.77 0,826.77 0,0 1830.71,0 1830.71,826.77 1692.91,826.77 1692.91,670

## Other copper
Bottom Layer:
  rectangle net V_RF: 838,419 890,579
  rectangle net +3V3: 7,277 353,508
  rectangle net GND: 423,374 500,514
  rectangle net GND: 627,172 697,217
  rectangle net GND: 461,358 530,380
  rectangle net GND: 613,370 696,468
  rectangle net GND: 679,370 737,460
  rectangle net GND: 577,460 643,542
  rectangle net GND: 401,489 445,515

## Silkscreen, mask and mechanical layers (free items; w line width, h text height)
Top Overlay:
  lines w1: 0.38,973 0.38,993 ; 60.38,963 0.38,983 ; 60.38,1003 0.38,983 ; 535,982.99 0.38,983 ; 1296.76,982.98 1831.39,982.98 ; 1771.39,962.98 1831.39,982.98 ; 1771.39,1002.98 1831.39,982.98 ; 1831.39,972.98 1831.39,992.98 ; 2015.01,54.42 2035.01,-5.58 ; 2015.01,761.42 2035.01,821.42 ; 2025.01,-5.58 2045.01,-5.58 ; 2025.01,821.42 2045.01,821.42 ; 2035.01,162 2035.01,-5.58 ; 2035.01,653.85 2035.01,821.42 ; 2055.01,54.42 2035.01,-5.58 ; 2055.01,761.42 2035.01,821.42
  lines w3.94: 17,167.32 190,167.32 ; 24,62.99 1817,62.99 ; 1628,167.32 1801,167.32
  text "1831.007 (mil)" at 545,952 h60
  text "www.i-hakul.com" at 669,598 h80
  text "827 (mil)" at 2066,172 h60 r90
  text "+5V" at 16,79 h25
  text "GND" at 116,79 h25
  text "SW" at 1662,79 h25
  text "LED" at 1731,79 h25
Bottom Overlay:
  circle w10: c815.19,166 r5
  circle w10: c841.19,247 r5
  lines w4: 177,826 177,708 20,708 20,827 177,827
  lines w5: 791,401 1023,401 1023,519 1023,593 882,593 882,528 791,528 791,401 ; 791,401 791,173 656,173 656,304 635,304 635,363 791,363 791,401 ; 537.25,192 555.64,192 555.64,122 644,122 644,234 537.25,234 537.25,192
  text "SmartPlug Power V3.0_a" at 1032,612 h65
  text "哈酷（深圳）智能科技" at 1141,30 h100